# Altium PCB MU_MP_39_V1.PcbDoc (part 11 of 15) (continued)
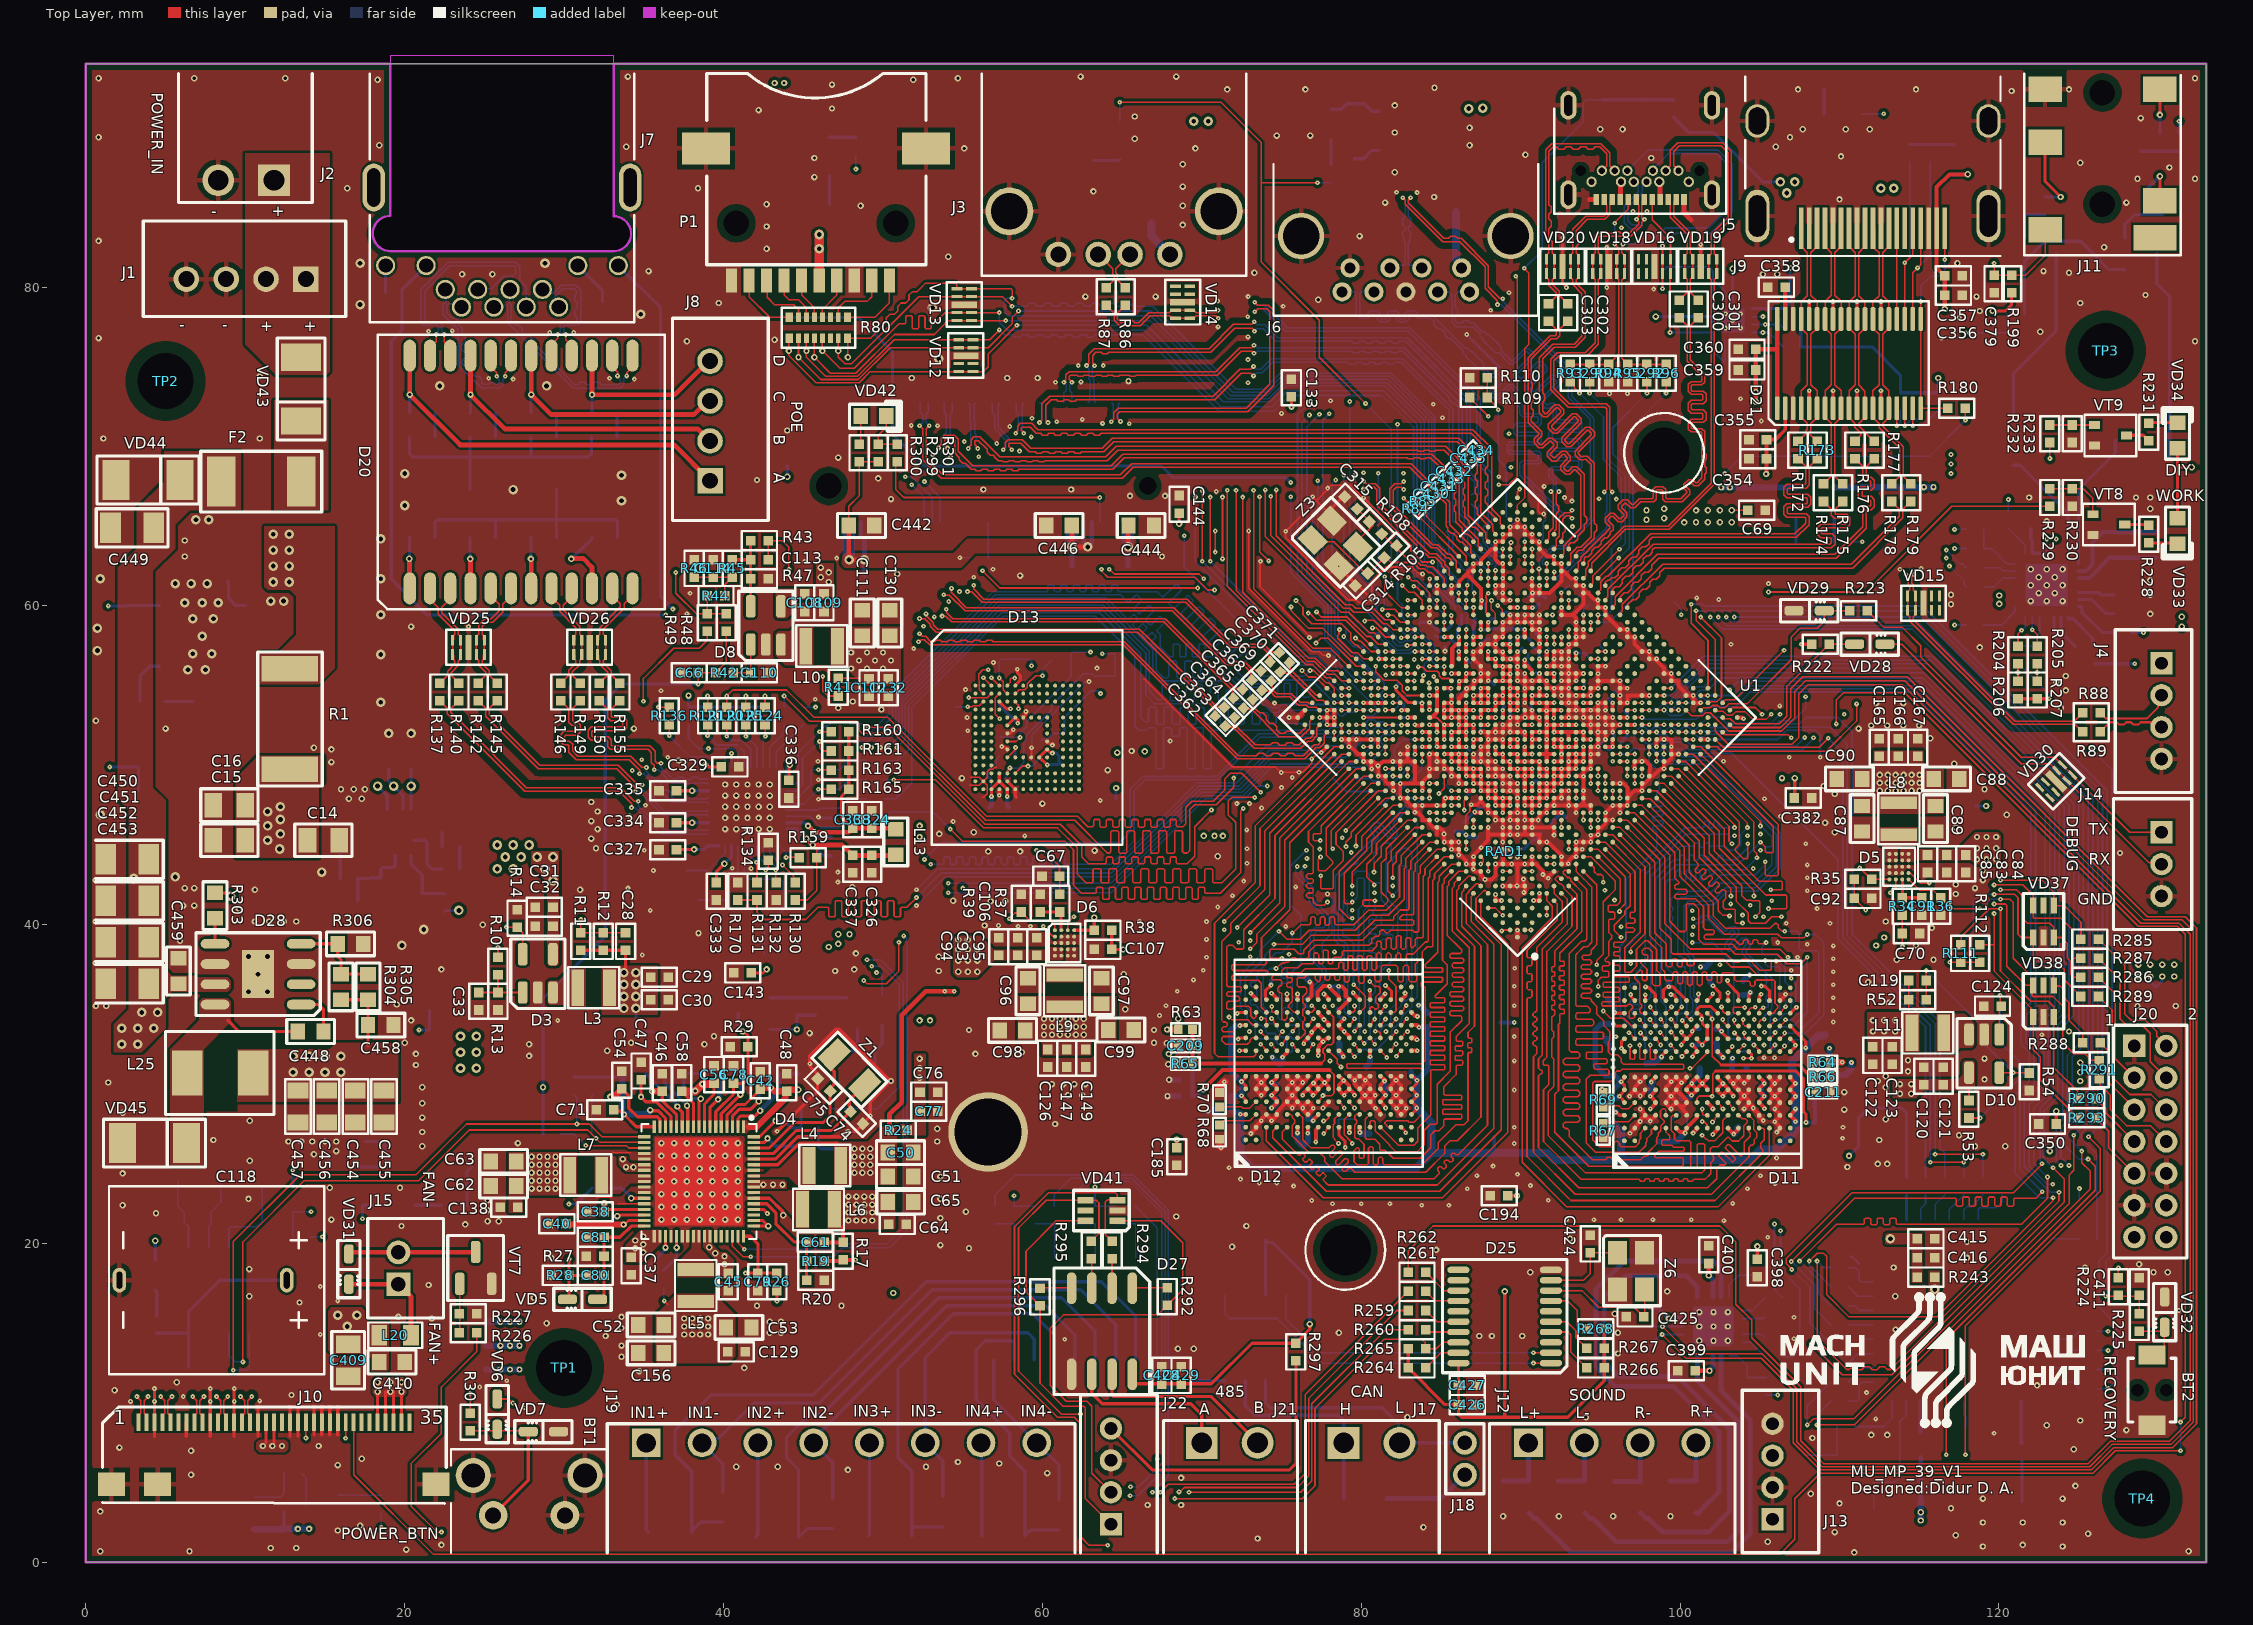
[diagram p0: Top Layer view]
## Nets (pads, with @x,y where several pads share a name; then routed paths per layer and width w, separated by ;. In a path a pad name is that pad's centre, name@x,y a point inside that pad or via, vN(x,y) a via of type N, cw(c..) or ccw(c..) an arc to the next point about the centre after c; other vN are vias at no path point) (continued)
  Bottom Layer w0.1: v1(98.992,53.469) 99.006,53.469 99.35,53.125 100.085,53.125 100.265,53.305 100.265,53.559 100.036,53.787 100.036,54.051 100.916,54.93 101.505,54.93 102.375,55.8 115.3,55.8 123.8,47.3 123.8,34.6 123.1,33.9 123.1,29.4 122.2,28.5 122.2,25 123.025,24.175 v1(123.05,24.175) ; v1(107.5,18.9) 108.7,17.7 108.7,16.85 R238.1@109.45,16.1
SDIO0_CMD: R237.1 U1.AH6 | length 79
  Top Layer w0.1: v1(106.975,18.875) 110.95,22.85 116.825,22.85 117.275,22.85 117.335,22.79 117.335,22.41 117.395,22.35 117.675,22.35 117.735,22.41 117.735,22.86 117.795,22.92 118.075,22.92 118.135,22.86 118.135,22.41 118.195,22.35 118.475,22.35 118.535,22.41 118.535,22.86 118.595,22.92 118.875,22.92 118.935,22.86 118.935,22.41 118.995,22.35 119.275,22.35 119.335,22.41 119.335,22.86 119.395,22.92 119.675,22.92 119.735,22.86 119.735,22.41 119.795,22.35 120.075,22.35 120.135,22.41 120.135,22.86 120.195,22.92 120.475,22.92 120.535,22.86 120.535,22.41 120.595,22.35 120.875,22.35 120.935,22.41 120.935,22.79 120.995,22.85 121.3,22.85 122.325,22.85 v1(122.725,23.25)
  Top Layer w0.11: U1.AH6@99.912,53.919 100.365,53.919 v1(100.371,53.925)
  Bottom Layer w0.1: v1(100.371,53.925) 100.375,53.92 100.83,53.92 101.135,54.225 101.468,54.225 101.619,54.074 103.474,54.074 104.2,54.8 114.7,54.8 117.3,52.2 ; v1(106.975,18.875) 107,18.875 108.45,17.425 108.45,15.9 R237.1@109.45,14.9 ; v1(122.725,23.25) 121.3,24.675 121.3,29.1 122.2,30 122.2,32.1 121.7,32.6 121.7,34.3 122.3,34.9 122.3,47.2 117.4,52.1 ; 117.3,52.2 117.4,52.1 ; 117.3,52.2 117.4,52.1
SDIO0_D0: R239.1 U1.AD8 | length 79.3
  Top Layer w0.1: v1(108.1,18.9) 108.6,19.4 109,19.4 109.2,19.2 109.2,16.8 110.6,15.4 116.1,15.4 123.375,22.675 123.375,22.85 v1(123.4,22.875)
  Top Layer w0.11: U1.AD8@97.154,53 97.612,53 v1(97.613,53.001)
  Bottom Layer w0.1: v1(97.613,53.001) 97.667,53.001 97.769,52.9 101.025,52.9 101.8,53.675 103.475,53.675 104.4,54.6 114.5,54.6 122,47.1 122,35.1 121.4,34.5 121.4,32.5 121.9,32 121.9,30.2 121,29.3 121,24.425 ; v1(108.1,18.9) 108.1,18.65 R239.1@109.45,17.3 ; 121.113,24.312 121,24.425 ; v1(123.4,22.875) 122.55,22.875 121,24.425
SDIO0_D1: R240.1 U1.AK5 | length 78.3
  Top Layer w0.1: v1(108.6,18.9) 108.6,13.95 110.45,12.1 110.575,12.1 110.625,12.1 110.704,12.179 111.004,12.179 111.092,12.09 111.392,12.09 111.572,12.27 111.872,12.27 112.051,12.09 112.351,12.09 112.53,12.27 112.83,12.27 113,12.1 113.05,12.1 113.2,12.1 123.775,22.675 v1(123.775,23.225)
  Top Layer w0.11: U1.AK5@101.29,54.379 v1(101.745,54.379)
  Bottom Layer w0.1: v1(101.745,54.379) 103.379,54.379 104,55 114.9,55 122.9,47 122.9,35 122,34.1 122,32.8 122.5,32.3 122.5,29.8 121.6,28.9 121.6,24.85 123.225,23.225 v1(123.775,23.225) ; v1(108.6,18.9) 109,18.5 R240.1@109.45,18.5
SDIO0_D2: R241.1 U1.AG7 | length 79.1
  Top Layer w0.1: v1(108.25,13.7) 110.175,11.775 113.275,11.775 115.713,14.213 124.1,22.6 124.1,24.05 v1(123.4,24.75)
  Top Layer w0.11: U1.AG7@98.992,53.919 v1@99.451,53.919
  Bottom Layer w0.1: v1(99.452,53.92) 99.488,53.957 99.488,54.147 101.715,56.375 115.525,56.375 124.4,47.5 124.4,34.4 123.7,33.7 123.7,29.2 122.8,28.3 122.8,25.35 v1(123.4,24.75) ; v1(108.25,13.7) R241.1@109.45,12.5
SDIO0_D3: R242.1 U1.AE8 | length 79.7
  Top Layer w0.1: v1(107.004,18.376) 107.004,18.396 106.675,18.725 106.675,19.075 110.775,23.175 120.9,23.175 122.7,24.975 v1(122.7,25)
  Top Layer w0.11: U1.AE8@97.614,53.46 98.072,53.46 v1(98.073,53.461)
  Bottom Layer w0.1: v1(98.073,53.461) 98.541,53.461 98.893,53.813 99.096,53.813 99.325,53.584 99.579,53.584 99.782,53.787 99.782,54.143 101.739,56.1 115.4,56.1 124.1,47.4 124.1,38.1 124.1,34.5 123.4,33.8 123.4,29.3 122.6,28.5 122.6,25.154 122.7,25.054 v1(122.7,25) ; v1(107.004,18.376) 107.024,18.376 108.15,17.25 108.15,15 R242.1@109.45,13.7
SDIO_VSEL: D24.29 R257.1 | length 2.8
  Bottom Layer w0.1: D24.29@118.7,21.488 118.7,22.15 118.8,22.25 119.825,22.25 120.2,22.625 R257.1@120.2,23.05
SDMMC0_CLK: R80.13 R81.12 U1.V29 VD13.4 | length 59.9
  Top Layer w0.1: v2@46.187,75.987 v2(46.2,76) ; R80.13@46.2,76.8 v2(46.2,76) ; v1(57.3,78.4) VD13.4@55.55,78.4 VD13.4@54.65,78.4 53.9,78.4 53.2,77.7 53.19,77.7 53.095,77.7 53.035,77.64 53.035,77.44 52.975,77.38 52.695,77.38 52.635,77.44 52.635,78.14 52.575,78.2 52.295,78.2 52.235,78.14 52.235,77.44 52.175,77.38 51.895,77.38 51.835,77.44 51.835,78.14 51.775,78.2 51.495,78.2 51.435,78.14 51.435,77.76 51.375,77.7 51.325,77.7 51,77.7 48.2,74.9 47.3,74.9 v2(46.2,76) ; U1.V29@84.744,59.894 84.744,60.352 v1(84.746,60.354)
  Bottom Layer w0.1: v2(46.2,76) R81.12@46.2,76.8 ; v1(57.3,78.4) 57.3,77.8 57.8,77.3 66.4,77.3 71.2,72.5 74.4,72.5 75.4,73.5 81.4,73.5 83.501,71.399 83.501,61.849 84.11,61.24 84.11,60.925 84.681,60.354 v1(84.746,60.354)
SDMMC0_CMD: R80.12 R81.13 U1.V25 VD13.5 | length 60.6
  Top Layer w0.1: R80.12@45.7,76.8 v2(45.7,75.6) 46.7,74.6 48.3,74.6 50.725,77.025 53.225,77.025 54.1,77.9 VD13.5@54.65,77.9 VD13.5@55.55,77.9 v1(57.7,77.9) ; U1.V25@86.583,58.056 86.583,58.514 v1(86.584,58.516)
  Bottom Layer w0.1: v2(45.7,75.6) R81.13@45.7,76.8 ; v1(57.7,77.9) 66.75,77.9 71.65,73 74.2,73 75.2,74 81.6,74 83.95,71.65 83.95,62.853 85.12,61.683 85.12,61.066 86.706,59.48 86.706,59.354 86.625,59.274 86.625,58.556 v1(86.584,58.516)
SDMMC0_D0: R80.15 R81.10 U1.Y27 VD13.2 | length 59.2
  Top Layer w0.1: R80.15@47.2,76.8 v2(47.2,76) 47.2,75.6 47.6,75.2 48.05,75.2 52.25,79.4 VD13.2@54.65,79.4 VD13.2@55.55,79.4 57.5,79.4 v1(58.1,78.8) ; U1.Y27@86.583,59.894 v1(86.583,60.358)
  Bottom Layer w0.1: v2(47.2,76) R81.10@47.2,76.8 ; v1(58.1,78.8) 58.95,78.8 59,78.8 59.198,78.998 59.498,78.998 59.696,78.8 59.996,78.8 60.194,78.998 60.494,78.998 60.692,78.8 60.992,78.8 61.19,78.998 61.49,78.998 61.689,78.8 61.989,78.8 62.187,78.998 62.487,78.998 62.685,78.8 62.985,78.8 63.183,78.998 63.483,78.998 63.681,78.8 63.981,78.8 64.179,78.998 64.479,78.998 64.677,78.8 64.977,78.8 65.175,78.998 65.475,78.998 65.673,78.8 66.025,78.8 66.925,78.8 72.125,73.6 73.9,73.6 74.9,74.6 81.9,74.6 84.598,71.902 84.598,64.197 85.253,63.541 85.253,62.44 86.244,61.45 86.244,61.153 86.583,60.815 v1(86.583,60.358)
SDMMC0_D1: R80.16 R81.9 U1.Y26 VD13.1 | length 60.7
  Top Layer w0.1: v2(47.8,75.6) 47.8,76.775 R80.16@47.775,76.8 49.225,76.8 50.15,77.725 50.207,77.782 50.207,78.072 50.419,78.284 50.709,78.284 50.921,78.496 50.921,78.787 51.133,78.999 51.424,78.999 51.636,79.211 51.636,79.501 51.848,79.713 52.138,79.713 52.35,79.925 52.675,80.25 54.55,80.25 54.634,80.166 54.634,79.95 54.65,79.934 VD13.1@54.65,79.9 VD13.1@55.55,79.9 58.041,79.9 58.1,79.841 v1(58.1,79.3) ; U1.Y26@87.042,59.435 87.042,59.893 v1(87.044,59.894)
  Bottom Layer w0.1: R81.9@47.775,76.8 47.8,76.775 v2(47.8,75.6) ; v1(58.1,79.3) 57.775,79.3 57.625,79.15 57.625,78.4 57.825,78.2 66.8,78.2 71.8,73.2 74.1,73.2 75.1,74.2 81.7,74.2 84.238,71.662 84.238,63.947 84.796,63.389 84.796,62.304 85.33,61.77 85.33,61.145 86.581,59.894 v1(87.044,59.894)
SDMMC0_D2: R80.10 R81.15 U1.Y28 VD12.2 | length 60.4
  Top Layer w0.1: R80.10@44.7,76.8 v2(44.7,75.6) 46.1,74.2 48.455,74.2 50.455,76.2 VD12.2@54.701,76.2 ; VD12.2@54.75,76.2 VD12.2@55.65,76.2 56.6,76.2 58.1,77.7 58.1,78.091 58.5,78.491 v1(58.5,78.5) ; U1.Y28@86.123,60.354 86.123,60.811 v1(86.125,60.813)
  Bottom Layer w0.1: v2(44.7,75.6) R81.15@44.7,76.8 ; v1(58.5,78.5) 66.85,78.5 71.95,73.4 74,73.4 75,74.4 81.8,74.4 84.418,71.782 84.418,64.122 84.976,63.563 84.976,62.463 85.965,61.474 85.965,61.027 86.125,60.868 v1(86.125,60.813)
SDMMC0_D3: R80.11 R81.14 U1.U27 VD12.1 | length 59.6
  Top Layer w0.1: R80.11@45.2,76.8 v2(45.2,76) 45.2,75.6 46.4,74.4 48.4,74.4 50.7,76.7 VD12.1@54.75,76.7 VD12.1@55.65,76.7 56.7,76.7 57.288,77.288 v1(57.288,77.312) ; U1.U27@85.204,58.515 85.204,58.973 v1(85.206,58.975)
  Bottom Layer w0.1: v2(45.2,76) R81.14@45.2,76.8 ; v1(57.288,77.312) 57.6,77 58.1,77 58.15,77 58.3,76.85 58.6,76.85 58.757,77.007 59.057,77.007 59.214,76.85 59.514,76.85 59.671,77.007 59.971,77.007 60.128,76.85 60.428,76.85 60.585,77.007 60.885,77.007 61.042,76.85 61.342,76.85 61.499,77.007 61.799,77.007 61.956,76.85 62.256,76.85 62.413,77.007 62.713,77.007 62.87,76.85 63.17,76.85 63.327,77.007 63.627,77.007 63.783,76.85 64.083,76.85 64.233,77 64.75,77 66.3,77 71.1,72.2 74.5,72.2 75.5,73.2 81.3,73.2 83.279,71.221 83.279,61.774 83.603,61.45 83.603,61.066 85.206,59.463 v1(85.206,58.975)
SDMMC0_DET_L: R80.9 R81.16 U1.V28 VD12.5 | length 60.5
  Top Layer w0.1: R80.9@44.125,76.8 44.1,76.775 v2(44.1,76) 44.1,75.7 45.8,74 48.509,74 49.209,74.7 VD12.5@54.75,74.7 VD12.5@55.65,74.7 56.3,74.7 56.6,75 56.6,75.8 v1(58.4,77.6) ; U1.V28@85.204,59.435 85.204,59.892 v1(85.206,59.894)
  Bottom Layer w0.1: v2(44.1,76) 44.1,76.775 R81.16@44.125,76.8 ; v1(58.4,77.6) 66.55,77.6 71.35,72.8 74.3,72.8 75.3,73.8 81.5,73.8 83.725,71.575 83.725,62.775 84.631,61.869 84.631,61.589 84.415,61.373 84.415,61.116 85.206,60.326 v1(85.206,59.894)
SDMMC0_PWR: R82.2 U1.AG4 | length 118.3
  Top Layer w0.1: U1.AG4@100.371,52.54 100.815,52.54 v1(100.825,52.55)
  POWER_1 w0.1: v1(48.3,87.4) 51.425,87.4 58.7,80.125 61.725,77.1 65.1,77.1 69.05,73.15 73.175,73.15 75.95,75.925 112.9,75.925 116.275,79.3 117.4,79.3 118.4,78.3 118.4,73.8 118.4,63.3 118.1,63 v1(116.7,63)
  Inner_Layer w0.1: v1(100.825,52.55) 101.225,52.95 102.825,52.95 103.35,52.425 107.025,52.425 116.5,61.9 116.5,62.8 v1(116.7,63)
  Bottom Layer w0.1: v1(48.3,87.4) R82.2@48.3,88.25
SDMMC0_VDDPST: C265.1 U1.U26 | length 1.1
  Top Layer w0.254: v1(85.207,58.055) U1.U26@85.663,58.056
  Bottom Layer w0.2: C265.1@84.627,58.114 84.662,58.114 84.72,58.056 v1@85.206,58.056
SOUND_GAIN0: D23.15 R216.2 R217.2 | length 2.8
  Bottom Layer w0.1: D23.15@103.075,16.65 103.075,17.425 R217.2@103.65,18 R216.2@104.85,18
SOUND_GAIN1: D23.1 R218.2 R219.2 | length 3.3
  Bottom Layer w0.1: D23.1@103.075,12.95 103.6,12.95 104.225,12.325 R219.2@104.225,11.6 R218.2@105.425,11.6
SOUND_L+: C393.1 J12.1 L16.1 | length 4
  Bottom Layer w0.3: C393.1@88.875,5.1 L16.1@90.525,5.1 ; L16.1@90.5,5.125 J12.1@90.5,7.475
SOUND_L-: C392.1 J12.2 L17.1 | length 4
  Bottom Layer w0.3: C392.1@92.375,5.1 L17.1@94.025,5.1 94,5.125 J12.2@94,7.475
SOUND_R+: C395.1 J12.4 L14.1 | length 4.1
  Bottom Layer w0.3: C395.1@99.35,5.1 L14.1@101,5.1 J12.4@101,7.6
SOUND_R-: C394.1 J12.3 L15.1 | length 4.2
  Bottom Layer w0.3: C394.1@95.875,5.075 97.5,5.075 L15.1@97.525,5.1 97.5,5.125 J12.3@97.5,7.6
SOUND_SDL: D23.7 R220.2 U1.AK1 | length 112
  Top Layer w0.1: v1(98.875,14.3) 100.375,12.8 100.875,12.8 105.1,12.8 107.1,10.8 107.1,7.5 108.8,5.8 125.8,5.8 127.2,7.2 130.9,7.2 132.4,8.7 132.4,39.8 131.7,40.5 129.3,40.5 114.25,55.55 107.7,55.55 106.95,54.8 106.95,53 106.325,52.375 103.312,52.375 103.147,52.54 U1.AK1@103.129,52.54
  Bottom Layer w0.11: R220.2@98.025,13.5 98.825,14.3 v1(98.875,14.3) D23.7@100.225,14.3
SOUND_SDR: D23.8 R221.2 U1.AH5 | length 114.4
  Top Layer w0.1: v1(98.9,14.8) 100.6,13.1 100.775,13.1 105.125,13.1 107.325,10.9 107.325,7.575 108.9,6 125.7,6 127.1,7.4 130.8,7.4 132.2,8.8 132.2,39.6 131.5,40.3 129.1,40.3 114.1,55.3 107.875,55.3 107.2,54.625 107.2,52.975 106.375,52.15 103.05,52.15 101.9,53.3 101.6,53.3 101.4,53.1 100.731,53.1 U1.AH5@100.371,53.46
  Bottom Layer w0.1: R221.2@98.025,14.8 D23.8@100.225,14.8
SPI1_CLK: R294.1 U1.P28 VD41.3 | length 216.4
  Top Layer w0.1: v1(64.1,1.075) 62.925,1.075 62.4,1.6 62.4,8.7 62,9.1 60.95,9.1 58.25,11.8 58.25,21.05 60.4,23.2 64.575,23.2 64.7,23.075 VD41.3@64.7,22.775 ; R294.1@64.375,20.15 63.95,20.575 63.95,22.6 64.1,22.75 64.675,22.75 VD41.3@64.7,22.725
  Top Layer w0.11: v1(82.877,57.514) 82.913,57.55 83.031,57.55 83.036,57.555 83.206,57.555 83.211,57.56 83.319,57.56 83.324,57.555 U1.P28@83.365,57.596
  POWER_1 w0.1: v1(64.1,1.075) 64.1,1.05 63.75,0.7 24.6,0.7 9.2,16.1 9.2,32 22.7,45.5 22.7,53.2 35.3,65.8 56.5,65.8 61.3,70.6 75.7,70.6 v1(78.4,67.9)
  Bottom Layer w0.1: v1(78.4,67.9) 78.348,67.9 78.195,67.747 78.195,63.131 78.3,63.026 78.3,62.275 80.25,60.325 80.25,59.706 81.984,57.971 81.984,57.766 82.262,57.488 82.851,57.488 v1(82.877,57.514)
SPI1_CSN0: R295.1 U1.P29 VD41.4 | length 200.8
  Top Layer w0.1: v1(62.4,9.3) 61.2,9.3 58.5,12 58.5,20.975 60.25,22.725 VD41.4@62.7,22.725 63.375,22.725 63.55,22.55 63.55,20.625 R295.1@63.075,20.15 ; v1(71.3,62.95) v1(71.3,66.825)
  Top Layer w0.11: v1(82.508,58.004) 82.534,58.03 82.88,58.03 U1.P29@82.906,58.056
  POWER_1 w0.1: v1(62.4,9.3) 62.4,3 61.5,2.1 37,2.1 30.6,8.5 18.9,8.5 11.3,16.1 11.3,32 24.1,44.8 24.1,52.5 36,64.4 57.2,64.4 62,69.2 69.5,69.2 71.3,67.4 v1(71.3,66.825)
  Inner_Layer w0.1: v1(71.3,62.95) 71.475,63.125 77.175,63.125 82.29,58.01 82.502,58.01 v1(82.508,58.004)
SPI1_RXD/UART4_RXD: J22.2 R292.1 U1.P27 VD41.1 | length 216.6
  Top Layer w0.1: VD41.1@64.7,21.425 67.425,21.425 68.8,20.05 68.8,17.1 ; 67.225,15.525 R292.1@67.825,16.125 68.8,17.1 ; 68.8,17.65 68.8,17.1
  Top Layer w0.102: J22.2@64.3,4.4 63.1,5.6 63.1,9.8 62.8,10.1 61.5,10.1 60.5,11.1 60.5,14.7 61.325,15.525 67.225,15.525
  Top Layer w0.11: v1(83.369,57.141) 83.373,57.137 U1.P27@83.825,57.137
  POWER_1 w0.1: J22.2@64.3,4.7 65.5,3.5 65.5,1.5 65.375,1.375 63.875,1.375 63.4,0.9 24.7,0.9 9.4,16.2 9.4,31.9 22.9,45.4 22.9,53.1 35.4,65.6 56.6,65.6 61.4,70.4 74.725,70.4 v1(77.275,67.85)
  Bottom Layer w0.1: v1(77.275,67.85) 77.275,62.225 79.025,60.475 79.025,59.4 80.325,58.1 81.05,58.1 82.116,57.034 83.078,57.034 83.165,57.121 83.348,57.121 v1(83.369,57.141)
SPI1_TXD/UART4_TXD: J22.1 R296.1 U1.R31 VD41.6 | length 204.8
  Top Layer w0.1: 58.975,17.325 58.975,16.975 ; VD41.6@62.7,21.425 60.875,21.425 58.975,19.525 58.975,16.975 ; J22.1@64.3,2.4 62.7,4 62.7,9.7 62.6,9.8 61.3,9.8 59.85,11.25 R296.1@59.85,16.1 58.975,16.975 ; v1(81.316,59.782) 82.099,59.782 U1.R31@82.446,59.435
  POWER_1 w0.1: J22.1@64.3,2.4 63,1.1 24.8,1.1 9.6,16.3 9.6,31.8 23.1,45.3 23.1,53 35.5,65.4 56.7,65.4 61.5,70.2 74.4,70.2 77.6,67 78.375,67 v1(79.625,68.25)
  Bottom Layer w0.1: v1(79.625,68.25) 79.625,62.573 81.45,60.748 81.45,59.967 81.316,59.833 v1(81.316,59.782)
SPI2_CLK: R261.1 U1.H31 | length 211.1
  Top Layer w0.1: v1(67.4,4.4) 67.9,4.9 75.8,4.9 76.5,5.6 76.5,10.55 R261.1@82.95,17 ; v1(73.25,67.25) 73.25,61.075 76.975,57.35 78.075,57.35 79.208,56.217 U1.H31@79.229,56.217
  POWER_1 w0.1: v1(67.4,4.4) 66.3,5.5 66.3,9.3 65.8,9.8 63.9,9.8 62.8,8.7 62.8,2.791 61.709,1.7 25.1,1.7 10.9,15.9 10.9,32.2 23.7,45 23.7,52.7 35.8,64.8 57,64.8 61.8,69.6 70.9,69.6 v1(73.25,67.25)
SPI2_RXD: R260.1 U1.F30 | length 207.6
  Top Layer w0.1: v1(69.2,4.4) 76.2,4.4 76.9,5.1 76.9,9.95 81.55,14.6 R260.1@82.95,14.6 ; v1(70.025,62.8) v1(70.025,67.225) ; U1.F30@78.769,54.838 v1(79.232,54.839) v1(79.232,54.839)
  POWER_1 w0.1: v1(69.2,4.4) 68.8,4.8 68.1,4.8 66.9,6 66.9,9.9 66.4,10.4 62.6,10.4 61.9,9.7 61.9,3.1 61.3,2.5 37.2,2.5 30.8,8.9 19.1,8.9 11.7,16.3 11.7,31.8 24.5,44.6 24.5,52.3 36.2,64 57.4,64 62.2,68.8 68.45,68.8 v1(70.025,67.225)
  Bottom Layer w0.1: v1(70.025,62.8) 75.975,56.85 77.221,56.85 v1(79.232,54.839)
SPI2_TXD: R259.1 U1.H24 | length 214.6
  Top Layer w0.1: v1(68.572,4.419) 68.619,4.419 68.9,4.7 76,4.7 76.7,5.4 76.7,10.275 82.225,15.8 R259.1@82.95,15.8 ; v1(70.525,62.8) v1(70.525,66.825)
  Top Layer w0.11: v1(80.148,53) U1.H24@82.446,53
  POWER_1 w0.1: v1(68.572,4.419) 68.556,4.402 68.198,4.402 66.7,5.9 66.7,9.7 66.2,10.2 62.7,10.2 62.1,9.6 62.1,3 61.4,2.3 37.1,2.3 30.7,8.7 19,8.7 11.5,16.2 11.5,31.9 24.3,44.7 24.3,52.4 36.1,64.2 57.3,64.2 62.1,69 68.9,69 70.5,67.4 70.5,66.85 v1(70.525,66.825)
  Bottom Layer w0.1: v1(70.525,62.8) 76.1,57.225 78.05,57.225 78.358,56.917 78.358,56.178 80.961,53.575 80.961,53.305 80.758,53.102 80.25,53.102 v1(80.148,53)
TD0_N: D19.2 R140.1 | length 20.6
  Top Layer w0.08: R140.1@23.4,54.05 22.9,53.55 22.9,53.325 23.088,53.138 23.147,53.078 23.36,53.078 23.572,52.865 23.572,52.653 23.6,52.625 27.62,48.605 33.545,48.605 34.394,47.756 34.644,47.756 v1(34.65,47.75)
  Bottom Layer w0.08: v1(34.65,47.75) v1(34.65,47.75) 34.648,47.477 35.238,46.888 35.433,46.692 35.635,46.692 35.847,46.48 35.847,46.278 35.875,46.25 36.21,45.915 38.965,45.915 D19.2@39.05,46
TD0_P: D19.1 R137.1 | length 20.7
  Top Layer w0.08: R137.1@22.2,54.05 22.67,53.58 22.67,53.23 27.525,48.375 33.45,48.375 34.231,47.594 34.231,47.356 v1(34.225,47.35)
  Bottom Layer w0.08: v1(34.225,47.35) 34.229,47.346 34.454,47.346 35.203,46.597 36.115,45.685 38.965,45.685 D19.1@39.05,45.6
TD1_N: D19.5 R145.1 | length 17.8
  Top Layer w0.08: R145.1@25.8,54.05 25.315,53.565 25.315,53.16 25.463,53.013 25.535,52.94 25.747,52.94 25.959,52.728 25.959,52.516 25.988,52.488 28.47,50.005 33.395,50.005 34.625,48.775 34.875,48.775 v1(34.881,48.768)
  Bottom Layer w0.08: v1@34.875,48.762 34.875,48.525 34.988,48.413 35.323,48.078 35.535,48.078 35.747,47.866 35.747,47.653 35.775,47.625 36.285,47.115 38.965,47.115 D19.5@39.05,47.2
TD1_P: D19.4 R142.1 | length 17.9
  Top Layer w0.08: R142.1@24.6,54.05 25.085,53.565 25.085,53.065 28.375,49.775 33.3,49.775 34.462,48.612 34.462,48.375 v1(34.456,48.368)
  Bottom Layer w0.08: v1@34.462,48.362 34.713,48.362 36.19,46.885 38.965,46.885 D19.4@39.05,46.8
TD2_N: D19.7 R149.1 | length 15.1
  Top Layer w0.08: R149.1@31,54.05 30.525,53.575 30.525,53.224 30.525,52.792 30.582,52.735 30.833,52.735 31.025,52.543 31.025,52.086 30.833,51.895 30.082,51.895 30.025,51.838 30.025,51.572 30.082,51.515 30.333,51.515 30.525,51.323 30.525,51.12 30.525,50.9 30.85,50.575 34.175,50.575 34.879,49.871 35.154,49.871 v1(35.16,49.865)
  Bottom Layer w0.08: v1@35.154,49.858 35.154,49.621 35.587,49.188 35.65,49.125 35.862,49.125 36.074,48.913 36.074,48.69 36.286,48.478 36.51,48.478 36.722,48.265 36.722,48.053 36.75,48.025 36.86,47.915 38.965,47.915 D19.7@39.05,48
TD2_P: D19.6 R146.1 | length 15.2
  Top Layer w0.08: R146.1@29.8,54.05 30.295,53.555 30.295,53.224 30.295,52.696 30.487,52.505 30.738,52.505 30.795,52.448 30.795,52.182 30.738,52.125 29.987,52.125 29.795,51.933 29.795,51.476 29.987,51.285 30.238,51.285 30.295,51.228 30.295,51.12 30.295,50.805 30.755,50.345 34.08,50.345 34.737,49.688 34.737,49.467 v1(34.735,49.465)
  Bottom Layer w0.08: v1@34.741,49.458 34.991,49.458 36.765,47.685 38.965,47.685 D19.6@39.05,47.6
TD3_N: D19.10 R155.1 | length 14.7
  Top Layer w0.08: R155.1@33.5,54.05 32.955,53.505 32.955,53.323 32.955,53.073 33.012,53.016 33.72,53.016 33.912,52.824 33.912,52.367 33.72,52.176 31.802,52.176 31.745,52.119 31.745,51.853 31.802,51.796 32.763,51.796 32.955,51.604 32.955,51.401 32.955,51.272 33.002,51.225 35.375,51.225 35.705,50.895 35.705,50.27 35.844,50.131 36.069,50.131 v1(36.075,50.125)
  Bottom Layer w0.08: v1(36.075,50.125) 36.069,50.119 36.069,49.881 36.835,49.115 36.842,49.115 36.994,49.115 37.144,49.265 37.444,49.265 37.602,49.107 37.902,49.107 38.06,49.265 38.36,49.265 38.51,49.115 38.55,49.115 38.965,49.115 D19.10@39.05,49.2
TD3_P: D19.9 R150.1 | length 14.8
  Top Layer w0.08: R150.1@32.2,54.05 32.725,53.525 32.725,53.323 32.725,52.977 32.917,52.786 33.625,52.786 33.682,52.729 33.682,52.463 33.625,52.406 31.707,52.406 31.515,52.214 31.515,51.757 31.707,51.566 32.668,51.566 32.725,51.509 32.725,51.401 32.725,51.177 32.907,50.995 35.28,50.995 35.475,50.8 35.475,50.175 35.656,49.994 35.656,49.731 v1(35.65,49.725)
  Bottom Layer w0.08: v1(35.65,49.725) 35.656,49.719 35.906,49.719 36.74,48.885 38.965,48.885 D19.9@39.05,48.8
TD_1_N: D20.3 R140.2 VD25.2 | length 7.1
  Top Layer w0.08: D20.3@22.855,61.098 22.855,60.43 22.33,59.905 22.33,59.57 23.365,58.535 23.365,58.235 23.44,58.16 23.44,57.91 VD25.2@23.5,57.85 VD25.2@23.5,56.95 23.44,56.89 23.44,56.615 23.365,56.54 23.365,56.265 22.915,55.815 22.915,55.635 R140.2@23.4,55.15
TD_1_P: D20.2 R137.2 VD25.1 | length 7.1
  Top Layer w0.08: D20.2@21.585,61.098 21.585,60.415 22.1,59.9 22.1,59.475 23.135,58.44 23.135,58.235 23.06,58.16 23.06,57.91 VD25.1@23,57.85 VD25.1@23,56.95 23.06,56.89 23.06,56.615 23.135,56.54 23.135,56.36 22.685,55.91 22.685,55.635 R137.2@22.2,55.15
TD_2_N: D20.6 R145.2 VD25.5 | length 7.4
  Top Layer w0.08: R145.2@25.8,55.15 25.315,55.635 25.315,55.935 24.865,56.385 24.865,56.565 24.94,56.64 24.94,56.89 VD25.5@25,56.95 VD25.5@25,57.85 24.94,57.91 24.94,58.16 24.865,58.235 24.865,58.735 25.1,58.97 25.51,58.97 26.145,59.605 26.145,60.095 26.665,60.615 D20.6@26.665,61.098
TD_2_P: D20.5 R142.2 VD25.4 | length 7.4
  Top Layer w0.08: R142.2@24.6,55.15 25.085,55.635 25.085,55.84 24.635,56.29 24.635,56.565 24.56,56.64 24.56,56.89 VD25.4@24.5,56.95 VD25.4@24.5,57.85 24.56,57.91 24.56,58.16 24.635,58.235 24.635,58.83 25.005,59.2 25.415,59.2 25.915,59.7 25.915,60.11 25.395,60.63 D20.5@25.395,61.098
TD_3_N: D20.9 R149.2 VD26.2 | length 7.1
  Top Layer w0.08: D20.9@30.475,61.098 30.475,60.575 29.955,60.055 29.955,59.745 30.965,58.735 30.965,58.235 31.04,58.16 31.04,57.91 VD26.2@31.1,57.85 VD26.2@31.1,56.95 31.04,56.89 31.04,56.64 30.965,56.565 30.965,56.315 30.515,55.865 30.515,55.635 R149.2@31,55.15
TD_3_P: D20.8 R146.2 VD26.1 | length 7.1
  Top Layer w0.08: D20.8@29.205,61.098 29.205,60.57 29.725,60.05 29.725,59.65 30.735,58.64 30.735,58.235 30.66,58.16 30.66,57.91 VD26.1@30.6,57.85 VD26.1@30.6,56.95 30.66,56.89 30.66,56.64 30.735,56.565 30.735,56.41 30.285,55.96 30.285,55.635 R146.2@29.8,55.15
TD_4_N: D20.12 R155.2 VD26.5 | length 7.2
  Top Layer w0.08: R155.2@33.5,55.15 32.965,55.685 32.965,55.935 32.465,56.435 32.465,56.565 32.54,56.64 32.54,56.89 VD26.5@32.6,56.95 VD26.5@32.6,57.85 32.54,57.91 32.54,58.16 32.465,58.235 32.465,58.54 33.765,59.84 33.765,60.14 34.285,60.66 D20.12@34.285,61.098
TD_4_P: D20.11 R150.2 VD26.4 | length 7.2
  Top Layer w0.08: R150.2@32.2,55.15 32.735,55.685 32.735,55.84 32.235,56.34 32.235,56.565 32.16,56.64 32.16,56.89 VD26.4@32.1,56.95 VD26.4@32.1,57.85 32.16,57.91 32.16,58.16 32.235,58.235 32.235,58.635 33.535,59.935 33.535,60.14 33.015,60.66 D20.11@33.015,61.098
TYPEC0_AUX_N: C292.2 J5.B8 R95.2 R96.1 VD18.5 | length 26.1
  Top Layer w0.11: v1(96.425,82.7) 96.425,82.649 96.35,82.574 96.35,82.15 96.468,82.033 96.48,82.033 96.525,81.988 VD18.5@96.525,80.85 96.48,80.805 96.48,80.555 96.35,80.425 96.35,75.525 R95.2@96.725,75.15 C292.2@97.925,75.15 R96.1@99.125,75.15
  Bottom Layer w0.11: v1(96.425,82.7) 98.075,82.7 99.075,83.7 101.775,83.7 103.05,84.975 103.05,87.628 102.303,88.375 99.275,88.375 98.3,87.4 J5.B8@98.3,87.3
TYPEC0_AUX_P: C290.2 J5.A8 R93.1 R94.2 VD18.4 | length 13.6
  Top Layer w0.11: R93.1@93.125,75.15 C290.2@94.325,75.15 R94.2@95.525,75.15 96.16,75.785 96.16,80.465 96.07,80.555 96.07,80.805 VD18.4@96.025,80.85 96.025,81.987 96.07,82.032 96.086,82.032 96.15,82.097 96.15,82.441 95.9,82.691 v1(95.9,82.7) ; v1(95.9,84) 95.9,84.05 96.75,84.9 J5.A8@96.75,85.49
  Bottom Layer w0.11: v1(95.9,82.7) v1(95.9,84)
TYPEC0_CC1: C285.1 D17.10 D17.11 J5.A5 VD16.1 | length 15.2
  Top Layer w0.11: J5.A5@98.25,85.49 98.25,84.225 99.4,83.075 VD16.1@99.4,80.85 99.375,80.825 v1(99.375,77.15)
  Bottom Layer w0.11: v1(99.375,77.15) D17.11@102.085,77.15 102.085,75.965 C285.1@102.8,75.25 D17.10@102.8,76.685
TYPEC0_CC2: C286.1 D17.1 D17.14 J5.B5 VD16.2 | length 26.9
  Top Layer w0.11: v1(98.9,79.9) VD16.2@98.9,80.85 v1(98.9,82.575)
  Bottom Layer w0.11: J5.B5@96.7,87.3 98,88.6 102.375,88.6 103.26,87.715 103.26,84.71 101.925,83.375 99.7,83.375 v1(98.9,82.575) ; v1(98.9,79.9) 98.9,80.975 99.2,81.275 101.8,81.275 102.075,81 C286.1@102.075,80.475 C286.1@102.085,80.465 ; D17.14@102.085,78.65 C286.1@102.085,80.465 ; D17.1@102.8,79.115 102.8,79.75 C286.1@102.085,80.465
TYPEC0_D_N: J5.A7 J5.B7 U1.AH23 VD18.1 | length 38.3
  Top Layer w0.09: U1.AH23@92.098,61.733 92.105,61.739 92.105,62.127 v1(92.112,62.134) ; v1(95.25,67.15) 95.25,67.158 95.4,67.308 95.4,72.375 95.3,72.475 92.975,72.475 91.891,73.559 91.891,75.466 92.3,75.875 94.05,75.875 94.675,76.5 94.675,80.45 94.58,80.545 94.58,80.682 94.525,80.737 VD18.1@94.525,81.75 94.58,81.805 94.58,82.055 94.675,82.15 94.675,83.258 94.792,83.375 94.95,83.375 94.995,83.375 95.106,83.486 95.406,83.486 95.518,83.375 95.818,83.375 95.9,83.458 96.2,83.458 96.283,83.375 96.725,83.375 96.825,83.375 97.4,83.95 97.4,84.092 97.275,84.217 97.275,84.307 97.4,84.432 97.4,85.132 97.38,85.152 97.38,85.36 J5.A7@97.25,85.49
  Bottom Layer w0.09: v1(92.112,62.134) 92.078,62.101 92.078,61.878 92.131,61.825 92.325,61.825 93.25,62.75 93.332,62.832 93.332,63.044 93.544,63.257 93.769,63.257 93.981,63.469 93.981,63.694 94.194,63.906 94.406,63.906 94.437,63.937 95.4,64.9 95.4,65.325 95.4,65.37 95.298,65.472 95.298,65.772 95.4,65.874 95.4,66.175 95.4,66.992 95.25,67.142 v1(95.25,67.15) ; v1(97.275,84.25) 97.275,84.193 97.398,84.07 97.398,83.953 97.345,83.9 96.975,83.9 96.705,84.17 96.705,85.005 96.925,85.225 96.978,85.278 97.19,85.278 97.402,85.49 97.402,85.702 97.525,85.825 97.615,85.915 97.615,86.315 J5.B7@97.9,86.6
TYPEC0_D_P: J5.A6 J5.B6 U1.AG23 VD18.2 | length 39.1
  Top Layer w0.09: U1.AG23@91.64,61.274 91.64,61.733 v1(91.641,61.734) ; v1(95.75,67.15) 95.75,67.158 95.6,67.308 95.6,72.458 95.383,72.675 93.058,72.675 92.091,73.641 92.091,75.384 92.383,75.675 94.133,75.675 94.875,76.417 94.875,80.45 94.97,80.545 94.97,80.795 VD18.2@95.025,80.85 VD18.2@95.025,81.75 94.97,81.805 94.97,82.055 94.875,82.15 94.875,82.35 94.875,83.122 94.928,83.175 96.908,83.175 97.067,83.334 97.6,83.867 97.6,84.075 v1(97.775,84.25) 97.65,84.25 97.6,84.3 97.6,85.132 97.62,85.152 97.62,85.36 J5.A6@97.75,85.49
  Bottom Layer w0.09: v1(91.641,61.734) 91.916,61.734 92.025,61.625 92.408,61.625 95.6,64.817 95.6,66.992 95.75,67.142 v1(95.75,67.15) ; J5.B6@97.1,86.6 97.385,86.315 97.385,85.968 96.5,85.083 96.5,84.05 96.88,83.67 97.44,83.67 97.628,83.857 97.628,84.08 97.775,84.227 v1(97.775,84.25)
TYPEC0_ID: U1.AL30
TYPEC0_RX1_N: J5.B10 U1.AL21 VD19.5 | length 37.4
  Top Layer w0.09: U1.AL21@94.396,62.192 94.436,62.233 94.436,62.336 94.45,62.35 94.45,62.675 96.575,64.8 99.333,64.8 102.15,67.617 102.15,80.462 102.3,80.613 VD19.5@102.3,81.75 102.3,81.988 102.245,82.043 102.203,82.043 102.15,82.095 102.15,83.217 103.225,84.292 103.225,88.508 102.991,88.741 102.683,89.05 99.867,89.05 99.4,88.583 99.4,87.606 99.1,87.306 J5.B10@99.1,87.3
TYPEC0_RX1_P: J5.B11 U1.AK21 VD19.4 | length 37.3
  Top Layer w0.09: U1.AK21@93.937,61.733 93.937,61.752 94.075,61.89 94.075,62.3 94.25,62.475 94.25,62.758 96.492,65 99.25,65 101.95,67.7 101.95,80.463 101.8,80.613 VD19.4@101.8,81.75 101.8,81.988 101.855,82.043 101.897,82.043 101.95,82.095 101.95,83.3 103.025,84.375 103.025,88.425 102.909,88.541 102.85,88.6 102.6,88.85 99.95,88.85 99.6,88.5 99.6,87.606 99.9,87.306 J5.B11@99.9,87.3
TYPEC0_RX2_N: J5.A10 U1.AL23 VD20.1 | length 37
  Top Layer w0.09: U1.AL23@93.477,63.112 93.485,63.119 93.485,63.327 93.644,63.487 93.852,63.487 94.625,64.26 94.625,64.55 94.625,64.595 94.775,64.745 94.775,65.045 94.625,65.195 94.625,65.4 94.625,68.95 94.563,69.013 94.489,69.086 94.179,69.396 93.931,69.396 93.888,69.353 93.806,69.353 93.613,69.546 93.613,69.629 94.645,70.661 94.645,70.909 94.334,71.219 94.086,71.219 93.054,70.187 92.971,70.187 92.778,70.38 92.778,70.463 93.81,71.495 93.81,71.743 93.5,72.054 93.252,72.054 92.22,71.022 92.137,71.022 91.944,71.215 91.944,71.297 92.712,72.066 92.712,72.314 92.402,72.625 92.154,72.625 91.593,72.064 91.511,72.064 91.437,72.137 91.375,72.2 91.375,72.725 91.375,72.77 91.525,72.92 91.525,73.22 91.375,73.37 91.375,73.45 91.375,75.492 92.108,76.225 93.433,76.225 94.05,76.842 94.05,79.675 93.475,80.25 93.475,80.45 93.57,80.545 93.57,80.795 VD20.1@93.625,80.85 VD20.1@93.625,81.75 93.57,81.805 93.57,82.055 93.475,82.15 93.475,82.5 93.475,82.545 93.625,82.695 93.625,82.995 93.475,83.145 93.475,83.275 93.475,83.542 94.183,84.25 95.283,84.25 95.6,84.567 95.6,85.132 95.62,85.152 95.62,85.36 J5.A10@95.75,85.49
TYPEC0_RX2_P: J5.A11 U1.AK23 VD20.2 | length 37.2
  Top Layer w0.09: U1.AK23@93.017,62.652 93.017,62.677 93.15,62.81 93.15,63.275 93.562,63.687 93.769,63.687 94.425,64.343 94.425,68.867 94.421,68.871 94.348,68.944 94.097,69.196 94.014,69.196 93.971,69.153 93.723,69.153 93.413,69.463 93.413,69.712 94.445,70.743 94.445,70.826 94.252,71.019 94.169,71.019 93.137,69.987 92.888,69.987 92.578,70.298 92.578,70.546 93.61,71.578 93.61,71.661 93.417,71.854 93.334,71.854 92.303,70.822 92.054,70.822 91.744,71.132 91.744,71.38 92.512,72.149 92.512,72.232 92.319,72.425 92.237,72.425 91.676,71.864 91.428,71.864 91.369,71.923 91.296,71.996 91.175,72.117 91.175,73.45 91.175,75.575 92.025,76.425 93.35,76.425 93.85,76.925 93.85,79.592 93.275,80.167 93.275,80.45 93.18,80.545 93.18,80.795 VD20.2@93.125,80.85 ; VD20.2@93.125,81.75 93.18,81.805 93.18,82.055 93.275,82.15 93.275,83.625 94.1,84.45 95.2,84.45 95.4,84.65 95.4,85.132 95.38,85.152 95.38,85.36 J5.A11@95.25,85.49 ; VD20.2@93.137,80.85 93.137,81.177 VD20.2@93.137,81.75